# Altium PCB SX-SCPCB-015.PCB-V1.1_信号显示D类功放PCB板.PcbDoc (part 1 of 2)
Units mil, origin at the board's own origin, x right, y up, seen from the top; angles counter-clockwise.
Board outline 9212.6 x 3779.53 mil, 2 copper layers (Top Layer, Bottom Layer); 144 components, 77 nets, 427 pads, 5 vias.
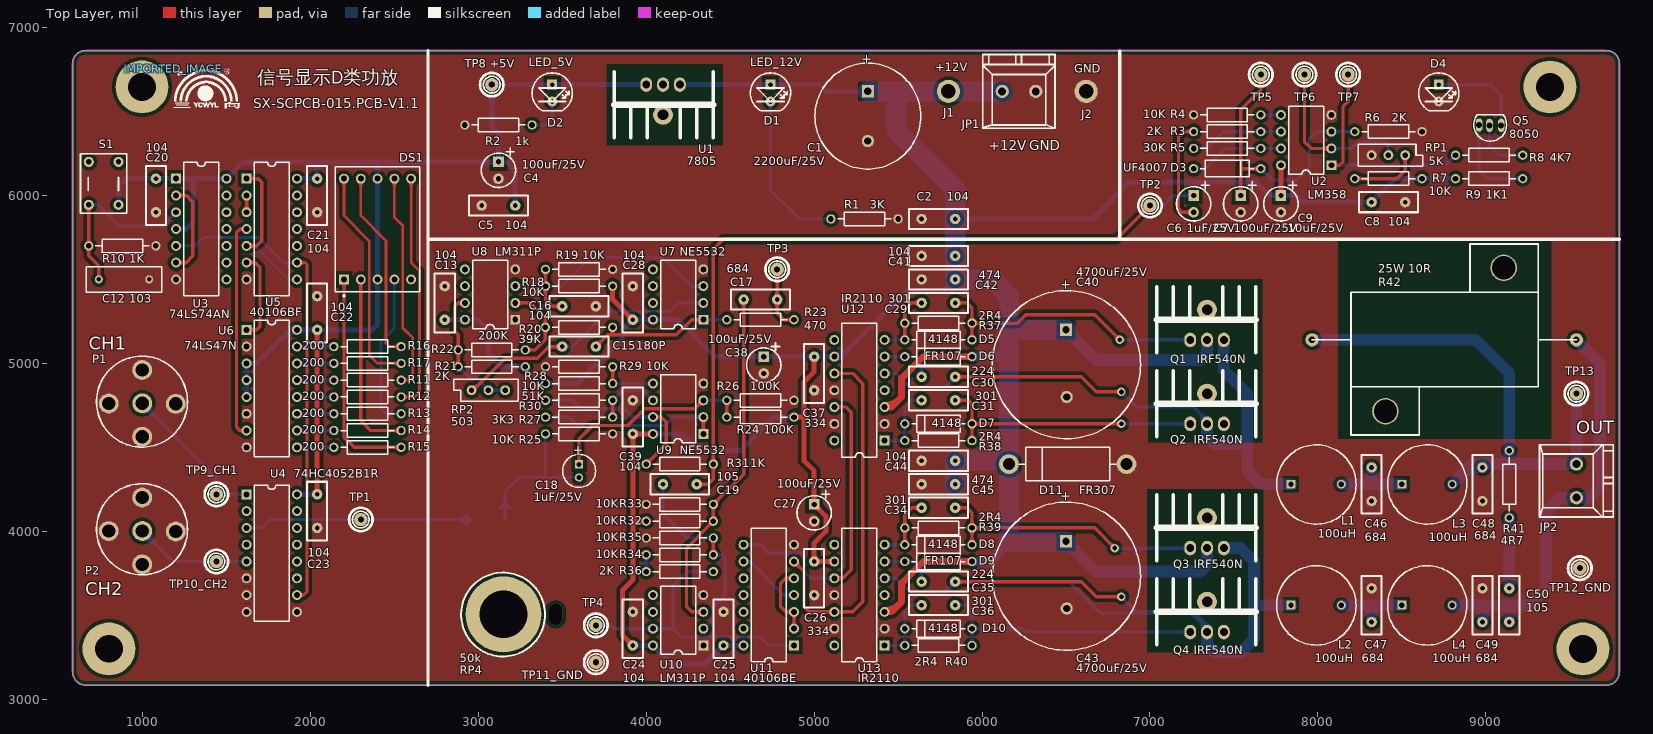
[diagram p0: Top Layer view]
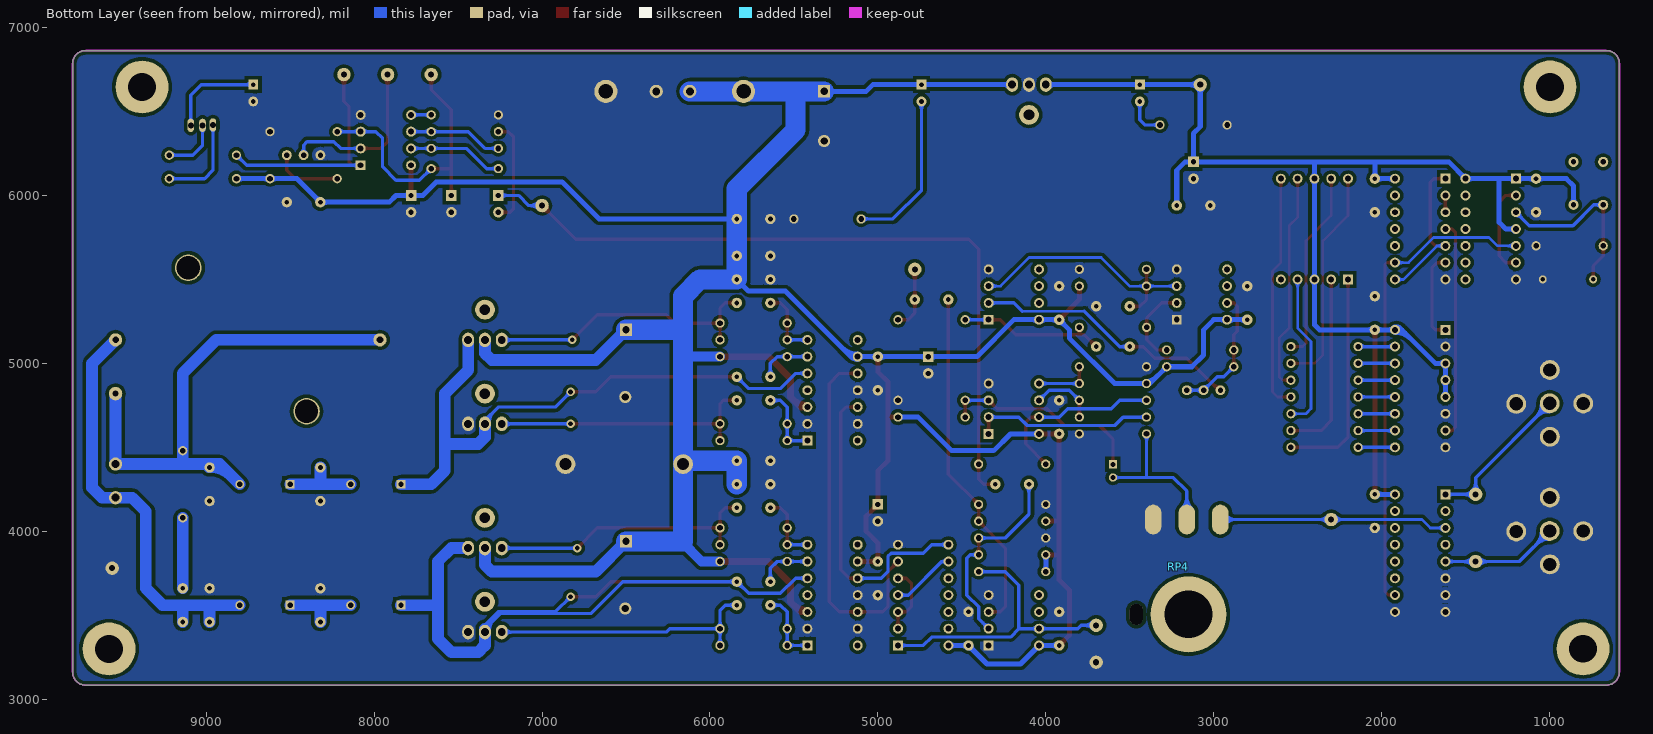
[diagram p1: Bottom Layer view, seen from below]

## Layer stack, top to bottom
Top Layer: signal copper 1.4
Dielectric: dielectric 12.6, FR-4, Dk 4.8
Bottom Layer: signal copper 1.4

## Board outline
583.46,3163.46 583.46,6784.25 cw(c662.2,6784.25) 662.2,6862.99 662.21,6862.99 9717.32,6862.99 cw(c9717.32,6784.25) 9796.06,6784.25 9796.06,3162.2 cw(c9717.32,3162.2) 9717.32,3083.46 663.46,3083.46 cw(c663.46,3163.46)

## Design rules (kind name [scope] priority, off if disabled: settings)
Clearance [All] p1: gap=10
ComponentClearance [All] p1 off: gap=10 collisioncheckmode=3 verticalgap=10 showdistances=FALSE
FabricationTestPointUsage TestPointUsage [All] p1: valid=0 allowmultiple=FALSE
FabricationTestpoint Testpoint [(IsPad And (OnTopLayer Or OnBottomLayer))] p1: side=3 testpointundercomponent=TRUE minsize=40 maxsize=100 preferedsize=60 minholesize=0 maxholesize=40 preferedholesize=32 testpointgrid=1 allowsidetop=TRUE allowsidebottom=TRUE usegrid=TRUE gridtolerance=0.01
HoleSize [All] p1: absolutevalues=TRUE maxlimit=393.7 minlimit=1 maxpercent=80.000 minpercent=20.000
PolygonConnect [All] p1: connectstyle=Relief reliefconductorwidth=1968.5 reliefentries=4 polygonreliefangle="90 Angle"
RoutingVias [All] p1: holewidth=23.62 width=39.37 viastyle="Through Hole" minholewidth=28 minwidth=50 maxholewidth=28 maxwidth=50
SilkscreenOverComponentPads [All] p1: minsilkscreentomaskgap=10
SolderMaskExpansion [All] p1: expansion=4
Width [All] p1: maxlimit=120 minlimit=7.87 preferedwidth=7.87 minimp=50.000000 maximp=50.000000 favimp=50.000000
23 further rules are at their usual default settings.

## Components (designator, comment, footprint, x,y, rotation, side; value= is the part's Value field where it differs from the comment)
7805 "U1" TO-220AB-IRF 4200,6660 r180 top
C1 "2200uF/25V" CAPPR7.5-16x35 5320,6472.36 r270 top
C2 "104" RAD-0.2 5640,5860 r0 top
C4 "100uF/25V" RB2.54-5 3120,6200 r270 top
C5 "104" RAD-0.2 3020,5940 r0 top
C6 "1uF/25V" RB2.54-5 7260,6000 r270 top
C7 "100uF/25V" RB2.54-5 7540,6000 r270 top
C8 "104" RAD-0.2 8520,5960 r180 top
C9 "10uF/25V" RB2.54-5 7780,6000 r270 top
C12 "103" RAD-0.3 890,5500 r180 top
C13 "104" RAD-0.2 2800,5460 r270 top
C15 "180P" RAD-0.2 3700,5100 r180 top
C16 "104" RAD-0.2 3700,5340 r180 top
C17 "684" RAD-0.2 4780,5380 r180 top
C18 "1uF/25V" B 3600,4359.37 r270 top
C19 "105" RAD-0.2 4300,4280 r180 top
C20 "104" RAD-0.2 1080,5900 r90 top
C21 "104" RAD-0.2 2040,5900 r90 top
C22 "104" RAD-0.2 2040,5400 r270 top
C23 "104" RAD-0.2 2040,4020 r90 top
C24 "104" RAD-0.2 3920,3520 r270 top
C25 "104" RAD-0.2 4460,3520 r270 top
C26 "334" RAD-0.2 5000,3820 r270 top
C27 "100uF/25V" RB2.54-5 5000,4160 r270 top
C28 "104" RAD-0.2 3920,5460 r270 top
C29 "301" RAD-0.2 5840,5360 r180 top
C30 "224" RAD-0.2 5640,4920 r0 top
C31 "301" RAD-0.2 5840,4780 r180 top
C34 "301" RAD-0.2 5640,4140 r0 top
C35 "224" RAD-0.2 5640,3700 r0 top
C36 "301" RAD-0.2 5640,3560 r0 top
C37 "334" RAD-0.2 5000,4840 r90 top
C38 "100uF/25V" RB2.54-5 4700,5040 r270 top
C39 "104" RAD-0.2 3920,4780 r270 top
C40 "4700uF/25V" 4700uF_400mil 6500,5200 r0 top
C41 "104" RAD-0.2 5640,5640 r0 top
C42 "474" RAD-0.2 5640,5500 r0 top
C43 "4700uF/25V" 4700uF_400mil 6500,3940 r0 top
C44 "104" RAD-0.2 5640,4420 r0 top
C45 "474" RAD-0.2 5640,4280 r0 top
C46 "684" RAD-0.2 8320,4380 r270 top
C47 "684" RAD-0.2 8320,3460 r90 top
C48 "684" RAD-0.2 8980,4380 r270 top
C49 "684" RAD-0.2 8980,3460 r90 top
C50 "105" RAD-0.2 9140,3660 r270 top
D1 "LED_12V" LED 4740,6660 r270 top
D2 "LED_5V" LED 3440,6660 r270 top
D3 "UF4007" DIODE-0.4 7460,6160 r0 top
D4 "" LED 8720,6660 r270 top
D5 "4148" DIODE-0.4 5740,5140 r180 top
D6 "FR107" DIODE-0.4 5740,5040 r180 top
D7 "4148" DIODE-0.4 5740,4640 r180 top
D8 "4148" DIODE-0.4 5740,3920 r180 top
D9 "FR107" DIODE-0.4 5740,3820 r180 top
D10 "4148" DIODE-0.4 5740,3420 r180 top
D11 "FR307" Doid_0.7 6860,4400 r0 top
DS1 "" H 2400,5800 r0 top
IMPORTED_IMAGE "Comment" IMPORTED_IMAGE 1184.26,6756.07 r0 top
J1 "+12V" PW 5800,6620 r0 top
J2 "GND" PW 6620,6620 r0 top
JP1 "" CON2-5.08 6320,6620 r180 top
JP2 "" CON2-5.08 9540,4200 r90 top
L1 "100uH" L_3 7840,4280 r270 top
L2 "100uH" L_3 7840,3560 r270 top
L3 "100uH" L_3 8500,4280 r270 top
L4 "100uH" L_3 8500,3560 r270 top
P1 "" BNC5 1000,4760 r0 top
P2 "" BNC5 1000,4000 r0 top
Q1 "IRF540N" TO-220AB-IRF 7240,5140 r0 top
Q2 "IRF540N" TO-220AB-IRF 7240,4640 r0 top
Q3 "IRF540N" TO-220AB-IRF 7240,3900 r0 top
Q4 "IRF540N" TO-220AB-IRF 7240,3400 r0 top
Q5 "8050" NPN 9076,6421 r90 top
R1 "3K" AXIAL-0.4 5300,5860 r180 top
R2 "1k" AXIAL-0.4 3120,6420 r0 top
R3 "2K" AXIAL-0.4 7460,6380 r180 top
R4 "10K" AXIAL-0.4 7460,6480 r180 top
R5 "30K" AXIAL-0.4 7460,6280 r180 top
R6 "2K" AXIAL-0.4 8420,6380 r0 top
R7 "10K" AXIAL-0.4 8420,6100 r0 top
R8 "4K7" AXIAL-0.4 9020,6240 r0 top
R9 "1K1" AXIAL-0.4 9020,6100 r180 top
R10 "1K" AXIAL-0.4 880,5700 r180 top
R11 "200" AXIAL-0.4 2340,4900 r0 top
R12 "200" AXIAL-0.4 2340,4800 r0 top
R13 "200" AXIAL-0.4 2340,4700 r0 top
R14 "200" AXIAL-0.4 2340,4600 r0 top
R15 "200" AXIAL-0.4 2340,4500 r0 top
R16 "200" AXIAL-0.4 2340,5100 r0 top
R17 "200" AXIAL-0.4 2340,5000 r0 top
R18 "10K" AXIAL-0.4 3600,5460 r0 top
R19 "10K" AXIAL-0.4 3600,5560 r180 top
R20 "39K" AXIAL-0.4 3599.5,5214.5 r0 top
R21 "2K" AXIAL-0.4 3080,4980 r180 top
R22 "200K" AXIAL-0.4 3080,5080 r180 top
R23 "470" AXIAL-0.4 4680,5260 r0 top
R24 "100K" AXIAL-0.4 4680,4680 r0 top
R25 "10K" AXIAL-0.4 3600,4580 r180 top
R26 "100K" AXIAL-0.4 4680,4780 r180 top
R27 "3K3" AXIAL-0.4 3600,4680 r0 top
R28 "10K" AXIAL-0.4 3600,4880 r180 top
R29 "10K" AXIAL-0.4 3600,4980 r0 top
R30 "51K" AXIAL-0.4 3600,4780 r180 top
R31 "1K" AXIAL-0.4 4200,4400 r0 top
R32 "10K" AXIAL-0.4 4200,4060 r180 top
R33 "10K" AXIAL-0.4 4200,4160 r0 top
R34 "10K" AXIAL-0.4 4200,3860 r180 top
R35 "10K" AXIAL-0.4 4200,3960 r0 top
R36 "2K" AXIAL-0.4 4200,3760 r180 top
R37 "2R4" AXIAL-0.4 5740,5240 r0 top
R38 "2R4" AXIAL-0.4 5740,4540 r0 top
R39 "2R4" AXIAL-0.4 5740,4020 r0 top
R40 "2R4" AXIAL-0.4 5740,3320 r0 top
R41 "4R7" AXIAL-0.4 9140,4280 r270 top
R42 "25W 10R" AXIAL-435-25W 7965.2,5140 r0 top
RP1 "5K" RP 8320,6240 r0 top
RP2 "503" RP 3160,4840 r180 top
RP4 "50k" VR1 3150,3505 r0 top
S1 "" SB-6MM 857.16,5944.09 r180 top
TP1 "" PT1 2300,4070 r0 top
TP2 "" PT1 7000,5940 r0 top
TP3 "" PT1 4780,5560 r0 top
TP4 "" PT1 3700,3440 r0 top
TP5 "" PT1 7660,6720 r0 top
TP6 "" PT1 7920,6720 r0 top
TP7 "" PT1 8180,6720 r0 top
"TP8 +5V" "" PT1 3080,6660 r90 top
TP9_CH1 "" PT1 1440,4220 r90 top
TP10_CH2 "" PT1 1440,3820 r90 top (schematic designator TP10__CH2)
TP11_GND "" PT1 3700,3220 r90 top
TP12_GND "" PT1 9560,3780 r90 top
TP13 "" PT1 9540,4820 r0 top
U2 "LM358" DIP-8 7930,6330 r90 top
U3 "74LS74AN" DIP-14 1350,5800 r270 top
U4 "74HC4052B1R" DIP-16 1770,3870 r270 top
U5 "40106BF" DIP-14 1770,5800 r270 top
U6 "74LS47N" DIP-16 1770,4850 r270 top
U7 "NE5532" DIP-8 4190,5410 r90 top
U8 "LM311P" DIP-8 3070,5410 r90 top
U9 "NE5532" DIP-8 4190,4730 r90 top
U10 "LM311P" DIP-8 4190,3470 r90 top
U11 "40106BE" DIP-14 4730,3620 r90 top
U12 "IR2110" DIP-14 5270,4840 r90 top
U13 "IR2110" DIP-14 5270,3620 r90 top

## Footprints (in the part's own frame and the unit in brackets; to place one, negate y for a bottom-side part, rotate by r counter-clockwise, add the part's x,y. Pads: shape width x height; smd on the part's side, far side on the other; paste and mask are expansions set on the pad)
4700uF_400mil [mm]
  rect 1.85x1.85 hole 1.1: 1(0,0)
  round 1.85 hole 1.1: 2(0.102,-10.16)
  silkscreen extent -11.12,-16.47 11.28,5.93
AXIAL-0.4 [mm] "Resistor; 2"
  round 1.4 hole 0.85: 1(-5.08,0) 2(5.08,0)
  silkscreen extent -4.06,-1.02 4.06,1.02
AXIAL-435-25W [mm]
  round 4 hole 3.5: 0(11.1,-10.8) 0(29,10.9)
  round 2 hole 1: 1(0,0) 2(40,0)
  silkscreen extent 0,-14.4 40,14.5
B [mm] "Capacitor, Electrolytic, Radial; Body 5 x 6.8 mm (Dia.xH typ); Pin Spacing 2 mm"
  rect 1.25x1.25 hole 0.75: 1(-1,0)
  round 1.25 hole 0.75: 2(1,0)
  silkscreen extent -2.5,-2.5 2.5,2.5
BNC5 [mm]
  round 3 hole 2: 1(-0.025,0.051) 2(-0.051,-5.004) 3(5.029,-0.025) 4(-5.105,0.025) 5(-0.051,5.105)
  silkscreen extent -6.96,-6.58 6.81,7.19
CAPPR7.5-16x35 [mm] "Capacitor, Electrolytic, Radial; Body 16 x 35 mm (Dia.xH typ); Pin Spacing 7.5 mm"
  rect 1.85x1.85 hole 1.1: 1(-3.75,0)
  round 1.85 hole 1.1: 2(3.75,0)
  silkscreen extent -8,-8 8,8
CON2-5.08 [mm]
  round 2 hole 1.2: 1(0,0) 2(5.08,0)
  silkscreen extent -2.92,-5.59 8,5.59
DIODE-0.4 [mm] "Tunnel Diode - Dependent Source Model; 2"
  round 1.4 hole 0.85: 1(-5.08,0) 2(5.08,0)
  silkscreen extent -4.06,-1.27 4.06,1.27
DIP-8 [mm] "DIP; 8 Leads; Row Spacing 7.62 mm; Pitch"
  rect 1.5x1.5 hole 0.9: 1(-3.81,-3.81)
  round 1.5 hole 0.9: 2(-1.27,-3.81) 3(1.27,-3.81) 4(3.81,-3.81) 5(3.81,3.81) 6(1.27,3.81) 7(-1.27,3.81) 8(-3.81,3.81)
  silkscreen extent -5.15,-2.65 5.15,2.65
DIP-14 [mm] "DIP; 14 Leads; Row Spacing 7.62 mm; Pitch"
  rect 1.5x1.5 hole 0.9: 1(-7.62,-3.81)
  round 1.5 hole 0.9: 2(-5.08,-3.81) 3(-2.54,-3.81) 4(0,-3.81) 5(2.54,-3.81) 6(5.08,-3.81) 7(7.62,-3.81) 8(7.62,3.81) 9(5.08,3.81) 10(2.54,3.81) 11(0,3.81) 12(-2.54,3.81) 13(-5.08,3.81) 14(-7.62,3.81)
  silkscreen extent -10.1,-2.65 10.1,2.65
DIP-16 [mm] "DIP; 16 Leads; Row Spacing 7.62 mm; Pitch"
  rect 1.5x1.5 hole 0.9: 1(-8.89,-3.81)
  round 1.5 hole 0.9: 2(-6.35,-3.81) 3(-3.81,-3.81) 4(-1.27,-3.81) 5(1.27,-3.81) 6(3.81,-3.81) 7(6.35,-3.81) 8(8.89,-3.81) 9(8.89,3.81) 10(6.35,3.81) 11(3.81,3.81) 12(1.27,3.81) 13(-1.27,3.81) 14(-3.81,3.81) 15(-6.35,3.81) 16(-8.89,3.81)
  silkscreen extent -10.3,-2.65 10.3,2.65
Doid_0.7 [mm]
  round 3 hole 1.8: 1(0,0) 2(-17.78,0)
  silkscreen extent -16.26,-2.54 -1.52,2.54
H [mm] "LED, 7-Segment Display, 14.2 mm, RHD; 10 Leads; Row Space 15.24 mm; Pitch"
  rect 1.5x1.5 hole 0.9: 1(-5.08,-7.62)
  round 1.5 hole 0.9: 2(-2.54,-7.62) 3(0,-7.62) 4(2.54,-7.62) 5(5.08,-7.62) 6(5.08,7.62) 7(2.54,7.62) 8(0,7.62) 9(-2.54,7.62) 10(-5.08,7.62)
  silkscreen extent -6.4,-10.22 6.4,9.45
IMPORTED_IMAGE [mil]
  silkscreen extent 0,-236 394,0
L_3 [mm]
  rect 1.35x1.35 hole 0.8: 1(0,0)
  round 1.35 hole 0.8: 2(0,7.62)
  silkscreen extent -5.97,-2.15 6.03,9.84
LED [mm]
  rect 1.5x1.5 hole 0.7: 1(0,0)
  round 1.5 hole 0.7: 2(2.54,0)
  silkscreen extent -1.77,-3.05 3.96,3.05
NPN [mm]
  oval 2x1 hole 0.9: 1(-0.025,2.946) 2(-0.076,1.372) 3(-0.076,-0.406)
  silkscreen extent -2.48,-1.21 1.5,3.75
PT1 [mil]
  round 80 hole 36: 1(0,0)
  silkscreen extent -70,-70 70,70
PW [mm]
  round 3.5 hole 2.2: 1(0,0)
RAD-0.2 [mil]
  round 62 hole 28: 1(0,0) 2(200,0)
  silkscreen extent -75,-60 275,60
RAD-0.3 [mm] "Capacitor; 2"
  round 1.2 hole 0.7: 1(-3.81,0) 2(3.81,0)
  silkscreen extent -5.71,-1.91 5.71,1.91
RB2.54-5 [mm]
  rect 1.6x1.6 hole 0.8: 1(0,0)
  round 1.6 hole 0.8: 2(2.54,0)
  silkscreen extent -2.12,-2.6 3.87,2.6
RP [mm]
  round 1.5 hole 0.8: 1(5.08,0) 2(2.54,0) 3(0,0)
  silkscreen extent -2,-1.66 7.76,1.67
SB-6MM [mil]
  round 60 hole 32: 1(0,0) 2(177.16,0) 3(0,-255.91) 4(177.16,-255.91)
  silkscreen extent -49,-305 226,50
TO-220AB-IRF [mm]
  round 3 hole 1.6: 0(2.54,4.572)
  oval 1.8x2.2 hole 1.2: 1(0,0) 2(2.54,0) 3(5.08,0)
  silkscreen extent -5.08,-1.95 9.92,8.05
VR1 [mm]
  round 11.5 hole 7.2: 0(0,0)
  oval 2x3.2 hole 2 slot 3.2 at 90 deg: 0(7.9,0)
  oval 2.5x4.5 smd far side: 1(-4.826,14.351) 2(0.254,14.351) 3(5.334,14.351)
  silkscreen extent -6.41,-6.37 6.28,6.32

## Part data
7805: library part "Volt Reg", "Vo"
C1 C18: library part "Cap Pol2", "Polarized Capacitor (Axial)"
C2 C5: library part Cap, "Cap"
C4: library part "Cap Pol2", "Polarized Ca"
C6 C7 C27 C38 C40 C43: library part "Cap Pol2", "Polarized Capacitor ("
C9: library part "Cap Pol1", "Polarized Capacitor (R"
C12: library part Cap, "Capacitor"
D1 D2 D4: library part LED0, "Typical INFRARED Ga"
D3 D6 D9: library part "Diode 1N4005", "1 Amp General Purpose Rectifier"
D5 D7 D8 D10: library part "Diode 1N914", "High Conductance Fast Diode"
D11: library part "Diode 1N4005", "1 Amp General Purpose Rec"
DS1: library part "Dpy Blue-CA", "14.2 mm General Purpose Blue 7-Segment Display: CA, RH DP, Gray Surface"
L1 L2 L3 L4: library part Inductor, "In"
P1 P2: library part "Header 5"
Q1 Q2 Q3 Q4: library part NMOS-2, "N-Channel Power"
Q5: library part NPN, "NPN Bipolar Tran"
R1 R2 R3 R4 R5 R6 R7 R8 R9 R10 R11 R12 R13 R14 R15 R16 R17 R18 R19 R20 R21 R22 R23 R24 R25 R26 R27 R28 R29 R30 R31 R32 R33 R34 R35 R36 R37 R38 R39 R40 R41: library part Res2, "Resistor"
RP4: library part "RPot SM", "Square Trimmin"
S1: library part SW-PB
U2: library part LM358AN, "Low-Power Dual Operational Amplifier"
U3: library part SN74LS74AN, "Dual D-Type Positive-Edge-Triggered Flip-Flop with Preset and Clear"
U4: library part M74HC4052B1R, "Analog Multiplexer/Demultiplexer Dual 4-Channel"
U5 U11: library part HCC40106BF, "Hex Schmitt Trigger"
U6: library part SN74LS47N, "BCD-to-Seven-Segment Decoder/Driver"
U7 U9: library part NE5532AJG, "Dual Low-Noise Operational Amplifier"
U8 U10: library part LM311D, "High-Performance Voltage Comparator"
U12 U13: library part IR2110S, "High and Low Side Driver"

## Free pads (board coordinates)
  round 314.96 hole 165.35: 1(996.85,6646.46) 2(9382.01,6646.01) 3(800,3300) 4(9578.86,3299.55)

## Via types
v1: diameter 50, hole 28, Top Layer to Bottom Layer, 5 vias

## Nets (pads, with @x,y where several pads share a name; then routed paths per layer and width w, separated by ;. In a path a pad name is that pad's centre, name@x,y a point inside that pad or via, vN(x,y) a via of type N, cw(c..) or ccw(c..) an arc to the next point about the centre after c; other vN are vias at no path point)
+12V: 7805.1 C1.1 C2.2 C8.2 C9.1 C13.2 C24.2 C25.2 C26.1 C27.1 C28.2 C37.2 C38.1 C39.2 C40.1 C41.2 C42.2 C43.1 C44.2 C45.2 D1.1 D6.1 D9.1 D11.2 J1.1 JP1.2 Q1.2 Q3.2 R7.2 R9.2 R18.2 R21.1 R24.2 R28.2 R32.2 R34.2 R36.2 U2.8 U7.8 U8.8 U9.8 U10.8 U11.14 U12.3 U12.9 U13.3 U13.9 | length 25971.7
  Top Layer w30: R18.2@3791.12,5451.12 cw(c3769.68,5429.68) 3800,5429.68 cw(c3830.32,5429.68) R18.2@3808.88,5451.12 ; R18.2@3800,5460 3800,5380 C28.2@3920,5260 ; C24.2@3904,3320 ccw(c3865.37,3320) 3892.69,3347.31 ccw(c3920,3374.63) C24.2@3920,3336 ; C28.2@3904,5260 ccw(c3865.37,5260) 3892.69,5287.31 ccw(c3920,5314.63) C28.2@3920,5276 ; C39.2@3908.69,4568.69 cw(c3881.37,4541.37) 3920,4541.37 cw(c3958.63,4541.37) 3931.31,4568.69 cw(c3958.63,4541.37) 3958.63,4580 cw(c3958.63,4618.63) C39.2@3931.31,4591.31 ; C24.2@3920,3320 3860,3380 3860,3650 3920,3710 C39.2@3920,4580 U9.8@4040,4580 ; 3920,3860 R34.2@4000,3860 ; 3920,4060 R32.2@4000,4060 ; R34.2@3991.12,3851.12 ccw(c3969.68,3829.68) 3969.68,3860 ccw(c3969.68,3890.32) R34.2@3991.12,3868.88 ; R32.2@3991.12,4051.12 ccw(c3969.68,4029.68) 3969.68,4060 ccw(c3969.68,4090.32) R32.2@3991.12,4068.88 ; U9.8@4029.73,4569.73 ccw(c4004.93,4544.93) 4004.93,4580 ccw(c4004.93,4615.07) U9.8@4029.73,4590.27 ; R24.2@4880,4680 4930,4680 ; R24.2@4888.88,4671.12 cw(c4910.32,4649.68) 4910.32,4680 cw(c4910.32,4710.32) R24.2@4888.88,4688.88 ; C27.1@4988.34,4171.66 ccw(c4960.18,4199.82) 5000,4199.82 ccw(c5039.82,4199.82) C27.1@5011.66,4171.66 ; C26.1@4988.69,3831.31 ccw(c4961.37,3858.63) 5000,3858.63 ccw(c5038.63,3858.63) 5011.31,3831.31 ccw(c5038.63,3858.63) 5038.63,3820 ccw(c5038.63,3781.37) C26.1@5011.31,3808.69 ; C37.2@4988.69,5028.69 cw(c4961.37,5001.37) 5000,5001.37 cw(c5038.63,5001.37) C37.2@5011.31,5028.69 ; C27.1@5000,4143.5 cw(c5000,4103.68) 5028.16,4131.84 cw(c5056.32,4160) C27.1@5016.5,4160 ; C37.2@5000,5040 5000,4950 4940,4890 4940,4420 5000,4360 C27.1@5000,4160 5070,4090 5070,4000 5000,3930 C26.1@5000,3820 U13.9@5120,3820 ; U13.9@5109.73,3809.73 ccw(c5084.93,3784.93) 5084.93,3820 ccw(c5084.93,3855.07) U13.9@5109.73,3830.27 ; C9.1@7768.34,6011.66 ccw(c7740.18,6039.82) 7780,6039.82 ccw(c7819.82,6039.82) C9.1@7791.66,6011.66 ; U2.8@7769.73,6169.73 cw(c7744.93,6144.93) 7780,6144.93 cw(c7815.07,6144.93) U2.8@7790.27,6169.73 ; C9.1@7780,6000 U2.8@7780,6180
  Top Layer w40: U13.3@5420,3520 5460,3520 5520,3580 5520,3690 5650,3820 D9.1@5940,3820 ; U13.3@5420,3529.53 ccw(c5420,3649.1) 5504.55,3564.55 ; U12.3@5420,4740 5460,4740 5520,4800 5520,4910 5650,5040 D6.1@5940,5040 ; U12.3@5420,4749.53 ccw(c5420,4869.1) 5504.55,4784.55
  Bottom Layer w30: C13.2@2800,5260 3000,5260 3060,5200 3060,5050 3130,4980 R21.1@3280,4980 3380,4880 3590,4880 3860,5150 3860,5200 C28.2@3920,5260 4190,5260 4410,5040 5160,5040 5550,5430 5770,5430 C42.2@5840,5500 ; C13.2@2811.31,5248.69 cw(c2838.63,5221.37) 2838.63,5260 cw(c2838.63,5298.63) C13.2@2811.31,5271.31 ; U8.8@2909.73,5249.73 ccw(c2884.93,5224.93) 2884.93,5260 ccw(c2884.93,5295.07) U8.8@2909.73,5270.27 ; U8.8@2930.27,5249.73 cw(c2955.07,5224.93) 2955.07,5260 cw(c2955.07,5295.07) U8.8@2930.27,5270.27 ; R21.1@3271.12,4971.12 ccw(c3249.68,4949.68) 3249.68,4980 ccw(c3249.68,5010.32) R21.1@3271.12,4988.88 ; R21.1@3280,4967.44 cw(c3280,4937.12) 3301.44,4958.56 cw(c3322.88,4980) R21.1@3292.56,4980 ; 3344.42,4915.58 ccw(c3400,4971.16) R28.2@3400,4892.56 ; R28.2@3408.88,4871.12 cw(c3430.32,4849.68) 3430.32,4880 cw(c3430.32,4910.32) R28.2@3408.88,4888.88 ; C28.2@3904,5260 cw(c3865.37,5260) 3892.69,5232.69 cw(c3920,5205.37) C28.2@3920,5244 ; C24.2@3920,3320 U10.8@4040,3320 4150,3210 4350,3210 C25.2@4460,3320 U11.14@4580,3320 ; C24.2@3931.31,3308.69 cw(c3958.63,3281.37) 3958.63,3320 cw(c3958.63,3358.63) C24.2@3931.31,3331.31 ; C28.2@3931.31,5248.69 cw(c3958.63,5221.37) 3958.63,5260 cw(c3958.63,5298.63) C28.2@3931.31,5271.31 ; R36.2@3991.12,3768.88 ccw(c3969.68,3790.32) 4000,3790.32 ccw(c4030.32,3790.32) R36.2@4008.88,3768.88 ; R34.2@3991.12,3851.12 cw(c3969.68,3829.68) 4000,3829.68 cw(c4030.32,3829.68) R34.2@4008.88,3851.12 ; R36.2@4000,3760 R34.2@4000,3860 ; U10.8@4029.73,3309.73 ccw(c4004.93,3284.93) 4004.93,3320 ccw(c4004.93,3355.07) U10.8@4029.73,3330.27 ; U7.8@4029.73,5249.73 ccw(c4004.93,5224.93) 4004.93,5260 ccw(c4004.93,5295.07) U7.8@4029.73,5270.27 ; U10.8@4040,3305.47 cw(c4040,3270.4) 4064.8,3295.2 cw(c4089.6,3320) U10.8@4054.53,3320 ; U9.8@4040,4580 4210,4580 4310,4480 4560,4480 4760,4680 R24.2@4880,4680 ; U9.8@4050.27,4569.73 cw(c4075.07,4544.93) 4075.07,4580 cw(c4075.07,4615.07) U9.8@4050.27,4590.27 ; U7.8@4050.27,5249.73 cw(c4075.07,5224.93) 4075.07,5260 cw(c4075.07,5295.07) U7.8@4050.27,5270.27 ; 7805.1@4210,6660 5030,6660 5070,6620 C1.1@5320,6620 ; 7805.1@4214.45,6645.55 cw(c4249.33,6610.67) 4249.33,6660 cw(c4249.33,6709.33) 7805.1@4214.45,6674.45 ; C25.2@4444,3320 cw(c4405.37,3320) 4432.69,3292.69 cw(c4460,3265.37) C25.2@4460,3304 ; C25.2@4471.31,3308.69 cw(c4498.63,3281.37) 4498.63,3320 cw(c4498.63,3358.63) C25.2@4471.31,3331.31 ; U11.14@4569.73,3309.73 ccw(c4544.93,3284.93) 4544.93,3320 ccw(c4544.93,3355.07) U11.14@4569.73,3330.27 ; C38.1@4688.34,5028.34 ccw(c4660.18,5000.18) 4660.18,5040 ccw(c4660.18,5079.82) C38.1@4688.34,5051.66 ; C38.1@4711.66,5028.34 cw(c4739.82,5000.18) 4739.82,5040 cw(c4739.82,5079.82) C38.1@4711.66,5051.66 ; D1.1@4729.73,6649.73 ccw(c4704.93,6624.93) 4704.93,6660 ccw(c4704.93,6695.07) D1.1@4729.73,6670.27 ; D1.1@4750.27,6649.73 cw(c4775.07,6624.93) 4775.07,6660 cw(c4775.07,6695.07) D1.1@4750.27,6670.27 ; R24.2@4871.12,4671.12 ccw(c4849.68,4649.68) 4849.68,4680 ccw(c4849.68,4710.32) R24.2@4871.12,4688.88 ; C37.2@4988.69,5028.69 ccw(c4961.37,5001.37) 4961.37,5040 ccw(c4961.37,5078.63) C37.2@4988.69,5051.31 ; C37.2@5011.31,5028.69 cw(c5038.63,5001.37) 5038.63,5040 cw(c5038.63,5078.63) C37.2@5011.31,5051.31 ; U12.9@5109.73,5029.73 ccw(c5084.93,5004.93) 5084.93,5040 ccw(c5084.93,5075.07) U12.9@5109.73,5050.27 ; U12.9@5120,5024.53 ccw(c5120,5083.74) 5161.87,5041.87 ; U12.9@5120,5054.53 ccw(c5120,5186.17) 5213.08,5093.08 ; U12.9@5130.27,5029.73 cw(c5155.07,5004.93) 5155.07,5040 cw(c5155.07,5075.07) U12.9@5130.27,5050.27 ; C1.1@5304.86,6604.86 ccw(c5268.29,6568.29) 5268.29,6620 ccw(c5268.29,6671.71) C1.1@5304.86,6635.14 ; C42.2@5824,5500 cw(c5785.37,5500) 5812.69,5472.69 cw(c5840,5445.37) C42.2@5840,5484 ; C2.2@5840,5860 6660,5860 6880,6080 7630,6080 7710,6000 7870,6000 7910,5960 C8.2@8320,5960 8460,6100 R9.2@8820,6100 ; C2.2@5851.31,5848.69 cw(c5878.63,5821.37) 5878.63,5860 cw(c5878.63,5898.63) C2.2@5851.31,5871.31 ; Q1.2@7340,5140 Q1.2@7340,5160 ; C9.1@7768.34,5988.34 ccw(c7740.18,5960.18) 7740.18,6000 ccw(c7740.18,6039.82) C9.1@7768.34,6011.66 ; C9.1@7791.66,5988.34 cw(c7819.82,5960.18) 7819.82,6000 cw(c7819.82,6039.82) C9.1@7791.66,6011.66 ; C8.2@8308.69,5948.69 ccw(c8281.37,5921.37) 8281.37,5960 ccw(c8281.37,5998.63) C8.2@8308.69,5971.31 ; C8.2@8320,5976 ccw(c8320,6014.63) 8347.31,5987.31 ccw(c8374.63,5960) C8.2@8336,5960 ; R7.2@8611.12,6091.12 ccw(c8589.68,6069.68) 8589.68,6100 ccw(c8589.68,6130.32) R7.2@8611.12,6108.88 ; R7.2@8628.88,6091.12 cw(c8650.32,6069.68) 8650.32,6100 cw(c8650.32,6130.32) R7.2@8628.88,6108.88 ; R9.2@8811.12,6091.12 ccw(c8789.68,6069.68) 8789.68,6100 ccw(c8789.68,6130.32) R9.2@8811.12,6108.88
  Bottom Layer w60: D9.1@5940,3820 6050,3820 6170,3940 ; D6.1@5940,5040 6160,5040
  Bottom Layer w70: C43.1@6500,3940 6680,3760 7300,3760 7340,3800 Q3.2@7340,3900 ; C40.1@6500,5200 6680,5020 7300,5020 7340,5060 Q1.2@7340,5140
  Bottom Layer w120: C1.1@5320,6620 JP1.2@6120,6620 ; 5490,6620 5490,6390 5840,6040 C42.2@5840,5500 6060,5500 6160,5400 6160,3940 C43.1@6500,3940 ; C45.2@5840,4280 C44.2@5840,4420 D11.2@6140,4420 ; 6160,5200 C40.1@6500,5200
AUDIO: RP4.1 TP1.1 U4.3 | length 1936.9
  Bottom Layer w16: U4.3@1620,4020 1710,4020 1760,4070 RP4.1@2960,4070 ; U4.3@1635.22,4004.78 cw(c1671.97,3968.03) 1671.97,4020 cw(c1671.97,4071.97) U4.3@1635.22,4035.22 ; TP1.1@2277.37,4047.37 ccw(c2222.75,3992.75) 2222.75,4070 ccw(c2222.75,4147.25) TP1.1@2277.37,4092.63 ; TP1.1@2322.63,4047.37 cw(c2377.25,3992.75) 2377.25,4070 cw(c2377.25,4147.25) TP1.1@2322.63,4092.63 ; RP4.1@2930.86,4040.86 ccw(c2860.51,3970.51) 2860.51,4070 ccw(c2860.51,4169.49) RP4.1@2930.86,4099.14 ; RP4.1@2942.17,4052.17 ccw(c2899.13,4009.13) 2899.13,4070 ccw(c2899.13,4130.87) RP4.1@2942.17,4087.83
CH1: P1.1 TP9_CH1.1 U4.1 | length 1502.5
  Bottom Layer w20: P1.1@999,4712.95 cw(c999,4596.93) 1081.03,4678.97 ; P1.1@999,4732.95 cw(c999,4665.22) 1046.89,4713.11 ; P1.1@999,4762 999,4761 1440,4320 TP9_CH1.1@1440,4220 U4.1@1620,4220 ; P1.1@1028.06,4762 ccw(c1100.62,4762) 1049.31,4710.69 ; P1.1@1048.06,4762 ccw(c1168.9,4762) 1083.45,4676.55 ; TP9_CH1.1@1418.79,4241.21 ccw(c1367.57,4292.43) 1440,4292.43 ccw(c1512.43,4292.43) 1461.21,4241.21 ccw(c1512.43,4292.43) 1512.43,4220 ccw(c1512.43,4147.57) TP9_CH1.1@1461.21,4198.79 ; U4.1@1606.19,4206.19 ccw(c1572.86,4172.86) 1572.86,4220 ccw(c1572.86,4267.14) U4.1@1606.19,4233.81
CH2: P2.1 TP10_CH2.1 U4.5 | length 1294.8
  Bottom Layer w20: P2.1@999,3952.95 cw(c999,3836.93) 1081.03,3918.97 ; P2.1@999,3972.95 cw(c999,3905.22) 1046.89,3953.11 ; P2.1@999,4002 999,4001 1180,3820 U4.5@1620,3820 ; P2.1@1028.06,4002 ccw(c1100.62,4002) 1049.31,3950.69 ; P2.1@1048.06,4002 ccw(c1168.9,4002) 1083.45,3916.55 ; TP10_CH2.1@1418.79,3798.79 ccw(c1367.57,3747.57) 1367.57,3820 ccw(c1367.57,3892.43) TP10_CH2.1@1418.79,3841.21 ; TP10_CH2.1@1461.21,3798.79 cw(c1512.43,3747.57) 1512.43,3820 cw(c1512.43,3892.43) TP10_CH2.1@1461.21,3841.21 ; U4.5@1606.19,3806.19 ccw(c1572.86,3772.86) 1572.86,3820 ccw(c1572.86,3867.14) U4.5@1606.19,3833.81
GND: 7805.2 C1.2 C2.1 C4.2 C5.1 C7.2 C8.1 C9.2 C12.1 C13.1 C16.1 C20.1 C21.1 C22.1 C23.1 C24.1 C25.1 C26.2 C27.2 C28.1 C37.1 C38.2 C39.1 C40.2 C41.1 C42.1 C43.2 C44.1 C45.1 C46.2 C47.2 C48.2 C49.2 D4.2 D11.1 J2.1 JP1.1 P1.2 P1.3 P1.4 P1.5 P2.2 P2.3 P2.4 P2.5 Q2.3 Q4.3 R1.1 R2.1 R4.2 R6.2 R10.1 R19.1 R25.1 R26.1 R29.1 R33.1 R35.1 RP1.3 RP4.3 TP11_GND.1 TP12_GND.1 U2.4 U3.7 U4.6 U4.7 U4.8 U4.9 U5.7 U6.2 U6.6 U6.8 U7.4 U8.1 U8.4 U9.4 U10.1 U10.4 U11.7 U12.2 U12.11 U12.13 U13.2 U13.11 U13.13
NetC6_2: C6.2 R3.2 | length 778.8
  Top Layer w20: C6.2@7244.8,5884.8 ccw(c7208.1,5848.1) 7208.1,5900 ccw(c7208.1,5951.9) C6.2@7244.8,5915.2 ; R3.2@7247.58,6367.58 ccw(c7217.61,6337.61) 7217.61,6380 ccw(c7217.61,6422.39) R3.2@7247.58,6392.42 ; C6.2@7260,5900 7190,5900 7170,5920 7170,6350 7200,6380 R3.2@7260,6380
NetC7_1: C7.1 D3.2 R6.1 TP5.1 U2.3 | length 2241.6
  Top Layer w20: C7.1@7524.8,6015.2 ccw(c7488.1,6051.9) 7540,6051.9 ccw(c7591.9,6051.9) C7.1@7555.2,6015.2 ; C7.1@7540,6000 7540,6510 7660,6630 TP5.1@7660,6720 ; 7540,6160 D3.2@7660,6160 ; TP5.1@7638.79,6698.79 cw(c7587.57,6647.57) 7660,6647.57 cw(c7732.43,6647.57) TP5.1@7681.21,6698.79 ; D3.2@7647.58,6147.58 ccw(c7617.61,6117.61) 7617.61,6160 ccw(c7617.61,6202.39) D3.2@7647.58,6172.42
  Bottom Layer w20: D3.2@7660,6142.44 cw(c7660,6100.05) 7689.98,6130.02 cw(c7719.95,6160) D3.2@7677.56,6160 ; D3.2@7660,6160 7730,6090 7870,6090 7950,6170 7950,6340 7990,6380 R6.1@8220,6380 ; U2.3@8066.19,6366.19 ccw(c8032.86,6332.86) 8032.86,6380 ccw(c8032.86,6427.14) U2.3@8066.19,6393.81 ; U2.3@8093.81,6366.19 cw(c8127.14,6332.86) 8127.14,6380 cw(c8127.14,6427.14) U2.3@8093.81,6393.81 ; R6.1@8207.58,6367.58 ccw(c8177.61,6337.61) 8177.61,6380 ccw(c8177.61,6422.39) R6.1@8207.58,6392.42
NetC12_2: C12.2 R10.2 S1.2 U3.3 | length 1484.1
  Top Layer w20: S1.2@665.86,5929.95 cw(c631.72,5895.81) 680,5895.81 cw(c728.28,5895.81) S1.2@694.14,5929.95 ; R10.2@667.58,5687.58 cw(c637.61,5657.61) 680,5657.61 cw(c722.39,5657.61) R10.2@692.42,5687.58 ; R10.2@667.58,5712.42 ccw(c637.61,5742.39) 680,5742.39 ccw(c722.39,5742.39) R10.2@692.42,5712.42 ; S1.2@680,5944.09 680,5640 740,5580 C12.2@740,5500 ; C12.2@730.37,5509.63 ccw(c707.11,5532.89) 740,5532.89 ccw(c772.89,5532.89) C12.2@749.63,5509.63
  Bottom Layer w20: S1.2@680,5944.09 735.91,5944.09 860,5820 1120,5820 U3.3@1200,5900 ; S1.2@694.14,5929.95 cw(c728.28,5895.81) 728.28,5944.09 cw(c728.28,5992.38) S1.2@694.14,5958.24 ; U3.3@1180.47,5900 cw(c1133.33,5900) 1166.66,5866.66 cw(c1200,5833.33) U3.3@1200,5880.47
NetC15_1: C15.1 R20.2 R23.1 U7.1 | length 1251.7
  Top Layer w20: C15.1@3700,5100 3770,5170 4180,5170 4270,5260 U7.1@4340,5260 ; C15.1@3700,5121 ccw(c3700,5171.7) 3735.85,5135.85 ccw(c3771.7,5100) C15.1@3721,5100 ; R20.2@3787.08,5202.08 cw(c3757.11,5172.11) 3799.5,5172.11 cw(c3841.89,5172.11) R20.2@3811.92,5202.08 ; 3799.5,5170 R20.2@3799.5,5214.5 ; U7.1@4326.19,5246.19 ccw(c4292.86,5212.86) 4292.86,5260 ccw(c4292.86,5307.14) U7.1@4326.19,5273.81
  Bottom Layer w20: U7.1@4340,5260 R23.1@4480,5260 ; U7.1@4353.81,5246.19 cw(c4387.14,5212.86) 4387.14,5260 cw(c4387.14,5307.14) U7.1@4353.81,5273.81 ; R23.1@4467.58,5247.58 ccw(c4437.61,5217.61) 4437.61,5260 ccw(c4437.61,5302.39) R23.1@4467.58,5272.42
NetC15_2: C15.2 RP2.1 U7.2 | length 1902.8
  Top Layer w20: RP2.1@2960,4840 2970,4840 3160,5030 3350,5030 3420,5100 C15.2@3500,5100 ; RP2.1@2960,4859.53 ccw(c2960,4930.81) 3010.41,4880.41 ; RP2.1@2979.53,4840 cw(c3002.53,4840) 2986.26,4856.26 ; C15.2@3485.15,5085.15 ccw(c3449.3,5049.3) 3449.3,5100 ccw(c3449.3,5150.7) C15.2@3485.15,5114.85
  Bottom Layer w16: 3770,5310 4140,5310
  Bottom Layer w20: C15.2@3500,5100 3560,5100 3770,5310 ; C15.2@3514.85,5085.15 cw(c3550.7,5049.3) 3550.7,5100 cw(c3550.7,5150.7) C15.2@3514.85,5114.85 ; 4140,5310 4190,5360 U7.2@4340,5360 ; U7.2@4326.19,5346.19 ccw(c4292.86,5312.86) 4292.86,5360 ccw(c4292.86,5407.14) U7.2@4326.19,5373.81
NetC16_2: C16.2 R18.1 R19.2 U7.3 U8.3 | length 2148.4
  Top Layer w20: R18.1@3387.58,5447.58 cw(c3357.61,5417.61) 3400,5417.61 cw(c3442.39,5417.61) R18.1@3412.42,5447.58 ; R18.1@3387.58,5472.42 ccw(c3357.61,5502.39) 3400,5502.39 ccw(c3442.39,5502.39) R18.1@3412.42,5472.42 ; R19.2@3387.58,5547.58 cw(c3357.61,5517.61) 3400,5517.61 cw(c3442.39,5517.61) R19.2@3412.42,5547.58 ; R19.2@3400,5560 3400,5380 3440,5340 C16.2@3500,5340 ; C16.2@3485.15,5325.15 ccw(c3449.3,5289.3) 3449.3,5340 ccw(c3449.3,5390.7) C16.2@3485.15,5354.85
  Bottom Layer w16: U8.3@3220,5460 3500,5460 3670,5630 4100,5630 4270,5460 U7.3@4340,5460 ; U8.3@3235.22,5444.78 cw(c3271.97,5408.03) 3271.97,5460 cw(c3271.97,5511.97) U8.3@3235.22,5475.22 ; R18.1@3386.17,5446.17 ccw(c3352.78,5412.78) 3352.78,5460 ccw(c3352.78,5507.22) R18.1@3386.17,5473.83 ; R18.1@3413.83,5446.17 cw(c3447.22,5412.78) 3447.22,5460 cw(c3447.22,5507.22) R18.1@3413.83,5473.83 ; U7.3@4324.78,5444.78 ccw(c4288.03,5408.03) 4288.03,5460 ccw(c4288.03,5511.97) U7.3@4324.78,5475.22
NetC17_1: C17.1 R23.2 TP3.1 | length 716.2
  Top Layer w20: TP3.1@4758.79,5538.79 cw(c4707.57,5487.57) 4780,5487.57 cw(c4852.43,5487.57) TP3.1@4801.21,5538.79 ; C17.1@4765.15,5365.15 cw(c4729.3,5329.3) 4780,5329.3 cw(c4830.7,5329.3) C17.1@4794.85,5365.15 ; C17.1@4765.15,5394.85 ccw(c4729.3,5430.7) 4780,5430.7 ccw(c4830.7,5430.7) C17.1@4794.85,5394.85 ; TP3.1@4780,5560 4780,5300 4820,5260 R23.2@4880,5260 ; R23.2@4867.58,5247.58 ccw(c4837.61,5217.61) 4837.61,5260 ccw(c4837.61,5302.39) R23.2@4867.58,5272.42
NetC17_2: C17.2 R32.1 R33.2 U10.3 | length 2503.3
  Top Layer w20: U10.3@4326.19,3506.19 ccw(c4292.86,3472.86) 4292.86,3520 ccw(c4292.86,3567.14) U10.3@4326.19,3533.81 ; U10.3@4340,3520 4270,3520 4240,3550 4240,3900 R32.1@4400,4060 R33.2@4400,4160 4580,4340 C17.2@4580,5380 ; R32.1@4382.44,4060 cw(c4340.05,4060) 4370.02,4030.02 cw(c4400,4000.05) R32.1@4400,4042.44 ; R32.1@4387.58,4072.42 ccw(c4357.61,4102.39) 4400,4102.39 ccw(c4442.39,4102.39) R32.1@4412.42,4072.42 ; R33.2@4387.58,4147.58 cw(c4357.61,4117.61) 4400,4117.61 cw(c4442.39,4117.61) R33.2@4412.42,4147.58 ; R33.2@4400,4177.56 ccw(c4400,4219.95) 4429.98,4189.98 ccw(c4459.95,4160) R33.2@4417.56,4160 ; C17.2@4565.15,5365.15 cw(c4529.3,5329.3) 4580,5329.3 cw(c4630.7,5329.3) C17.2@4594.85,5365.15
NetC18_1: C18.1 R24.1 R26.2 U9.3 | length 1629.8
  Top Layer w20: C18.1@3589.67,4409.07 ccw(c3564.74,4434) 3600,4434 ccw(c3635.26,4434) C18.1@3610.33,4409.07 ; C18.1@3600,4398.74 3600,4550 3680,4630 3890,4630 3990,4730 4290,4730 U9.3@4340,4780 ; U9.3@4320.47,4780 cw(c4273.33,4780) 4306.66,4746.66 cw(c4340,4713.33) U9.3@4340,4760.47 ; R24.1@4467.58,4692.42 ccw(c4437.61,4722.39) 4480,4722.39 ccw(c4522.39,4722.39) R24.1@4492.42,4692.42 ; R26.2@4467.58,4767.58 cw(c4437.61,4737.61) 4480,4737.61 cw(c4522.39,4737.61) R26.2@4492.42,4767.58 ; R24.1@4480,4680 R26.2@4480,4780
  Bottom Layer w20: U9.3@4340,4780 R26.2@4480,4780 ; U9.3@4353.81,4766.19 cw(c4387.14,4732.86) 4387.14,4780 cw(c4387.14,4827.14) U9.3@4353.81,4793.81 ; R26.2@4467.58,4767.58 ccw(c4437.61,4737.61) 4437.61,4780 ccw(c4437.61,4822.39) R26.2@4467.58,4792.42
NetC18_2: C18.2 R25.2 RP4.2 | length 1173.8
  Bottom Layer w20: RP4.2@3132.27,4137.1 ccw(c3065.33,4204.04) 3160,4204.04 ccw(c3254.67,4204.04) RP4.2@3187.73,4137.1 ; RP4.2@3160,4070 3160,4240 3240,4320 C18.2@3600,4320 ; R25.2@3387.58,4567.58 cw(c3357.61,4537.61) 3400,4537.61 cw(c3442.39,4537.61) R25.2@3412.42,4567.58 ; 3400,4320 R25.2@3400,4580 ; C18.2@3589.67,4309.67 ccw(c3564.74,4284.74) 3564.74,4320 ccw(c3564.74,4355.26) C18.2@3589.67,4330.33
NetC19_2: C19.2 R34.1 R35.2 U10.2 | length 1610.2
  Top Layer w20: R34.1@4387.58,3872.42 ccw(c4357.61,3902.39) 4400,3902.39 ccw(c4442.39,3902.39) R34.1@4412.42,3872.42 ; R35.2@4387.58,3947.58 cw(c4357.61,3917.61) 4400,3917.61 cw(c4442.39,3917.61) R35.2@4412.42,3947.58 ; R34.1@4400,3860 R35.2@4400,3960
  Bottom Layer w20: C19.2@4085.15,4265.15 cw(c4049.3,4229.3) 4100,4229.3 cw(c4150.7,4229.3) C19.2@4114.85,4265.15 ; C19.2@4100,4280 4100,4100 4240,3960 R35.2@4400,3960 ; U10.2@4340,3420 4400,3480 4400,3550 4470,3620 4470,3840 4450,3860 R34.1@4400,3860 ; U10.2@4340,3439.53 ccw(c4340,3486.67) 4373.34,3453.34 ccw(c4406.67,3420) U10.2@4359.53,3420 ; R35.2@4387.58,3947.58 ccw(c4357.61,3917.61) 4357.61,3960 ccw(c4357.61,4002.39) R35.2@4387.58,3972.42 ; R34.1@4412.42,3847.58 cw(c4442.39,3817.61) 4442.39,3860 cw(c4442.39,3902.39) R34.1@4412.42,3872.42
NetC29_1: C29.1 D5.1 Q1.1 R37.2 | length 2241.5
  Top Layer w20: C29.1@5840,5360 5910,5360 5940,5330 D5.1@5940,5140 ; C29.1@5854.85,5345.15 cw(c5890.7,5309.3) 5890.7,5360 cw(c5890.7,5410.7) C29.1@5854.85,5374.85 ; D5.1@5927.58,5152.42 ccw(c5897.61,5182.39) 5940,5182.39 ccw(c5982.39,5182.39) D5.1@5952.42,5152.42 ; R37.2@5927.58,5227.58 cw(c5897.61,5197.61) 5940,5197.61 cw(c5982.39,5197.61) 5952.42,5227.58 cw(c5982.39,5197.61) 5982.39,5240 cw(c5982.39,5282.39) 5952.42,5252.42 cw(c5982.39,5282.39) 5940,5282.39 cw(c5897.61,5282.39) R37.2@5927.58,5252.42 ; R37.2@5940,5240 6210,5240 6260,5290 6670,5290 v1(6820,5140) ; v1@6805,5140 ccw(c6768.79,5140) 6794.39,5165.61 ccw(c6820,5191.21) v1@6820,5155
  Bottom Layer w20: v1(6820,5140) Q1.1@7240,5140 ; v1@6830.61,5129.39 cw(c6856.21,5103.79) 6856.21,5140 cw(c6856.21,5176.21) v1@6830.61,5150.61 ; Q1.1@7222.02,5122.02 ccw(c7178.6,5078.6) 7178.6,5140 ccw(c7178.6,5201.4) Q1.1@7222.02,5157.98
NetC29_2: C29.2 D5.2 R37.1 U12.7 | length 836.6
  Top Layer w20: D5.2@5527.58,5152.42 ccw(c5497.61,5182.39) 5540,5182.39 ccw(c5582.39,5182.39) D5.2@5552.42,5152.42 ; R37.1@5527.58,5227.58 cw(c5497.61,5197.61) 5540,5197.61 cw(c5582.39,5197.61) R37.1@5552.42,5227.58 ; R37.1@5527.58,5252.42 ccw(c5497.61,5282.39) 5540,5282.39 ccw(c5582.39,5282.39) R37.1@5552.42,5252.42 ; D5.2@5540,5140 5540,5320 5580,5360 C29.2@5640,5360 ; C29.2@5625.15,5345.15 ccw(c5589.3,5309.3) 5589.3,5360 ccw(c5589.3,5410.7) C29.2@5625.15,5374.85
  Bottom Layer w20: U12.7@5420,5140 D5.2@5540,5140 ; U12.7@5433.81,5126.19 cw(c5467.14,5092.86) 5467.14,5140 cw(c5467.14,5187.14) U12.7@5433.81,5153.81 ; D5.2@5527.58,5127.58 ccw(c5497.61,5097.61) 5497.61,5140 ccw(c5497.61,5182.39) D5.2@5527.58,5152.42
NetC30_1: C30.1 D6.2 U12.6 | length 603.4
  Bottom Layer w20: U12.6@5420,5040 5600,5040 5640,5000 C30.1@5640,4920 ; U12.6@5433.81,5026.19 cw(c5467.14,4992.86) 5467.14,5040 cw(c5467.14,5087.14) U12.6@5433.81,5053.81 ; D6.2@5527.58,5027.58 ccw(c5497.61,4997.61) 5497.61,5040 ccw(c5497.61,5082.39) D6.2@5527.58,5052.42 ; D6.2@5552.42,5027.58 cw(c5582.39,4997.61) 5582.39,5040 cw(c5582.39,5082.39) D6.2@5552.42,5052.42 ; C30.1@5625.15,4934.85 ccw(c5589.3,4970.7) 5640,4970.7 ccw(c5690.7,4970.7) C30.1@5654.85,4934.85
NetC31_1: C31.1 D7.1 Q2.1 R38.2 | length 2184.5
  Top Layer w20: C31.1@5840,4780 5920,4780 5940,4760 R38.2@5940,4540 ; C31.1@5854.85,4765.15 cw(c5890.7,4729.3) 5890.7,4780 cw(c5890.7,4830.7) C31.1@5854.85,4794.85 ; R38.2@5927.58,4552.42 ccw(c5897.61,4582.39) 5940,4582.39 ccw(c5982.39,4582.39) R38.2@5952.42,4552.42 ; D7.1@5927.58,4627.58 cw(c5897.61,4597.61) 5940,4597.61 cw(c5982.39,4597.61) 5952.42,4627.58 cw(c5982.39,4597.61) 5982.39,4640 cw(c5982.39,4682.39) 5952.42,4652.42 cw(c5982.39,4682.39) 5940,4682.39 cw(c5897.61,4682.39) D7.1@5927.58,4652.42 ; D7.1@5940,4640 v1(6830,4640) ; v1@6819.39,4629.39 ccw(c6793.79,4603.79) 6793.79,4640 ccw(c6793.79,4676.21) v1@6819.39,4650.61
  Bottom Layer w20: v1(6830,4640) Q2.1@7240,4640 ; v1@6840.61,4629.39 cw(c6866.21,4603.79) 6866.21,4640 cw(c6866.21,4676.21) v1@6840.61,4650.61 ; Q2.1@7222.02,4622.02 ccw(c7178.6,4578.6) 7178.6,4640 ccw(c7178.6,4701.4) Q2.1@7222.02,4657.98
NetC31_2: C31.2 D7.2 R38.1 U12.1 | length 856.6
  Bottom Layer w20: U12.1@5420,4540 R38.1@5540,4540 5540,4740 5580,4780 C31.2@5640,4780 ; U12.1@5433.81,4526.19 cw(c5467.14,4492.86) 5467.14,4540 cw(c5467.14,4587.14) U12.1@5433.81,4553.81 ; R38.1@5527.58,4527.58 ccw(c5497.61,4497.61) 5497.61,4540 ccw(c5497.61,4582.39) 5527.58,4552.42 ccw(c5497.61,4582.39) 5540,4582.39 ccw(c5582.39,4582.39) R38.1@5552.42,4552.42 ; D7.2@5527.58,4627.58 cw(c5497.61,4597.61) 5540,4597.61 cw(c5582.39,4597.61) D7.2@5552.42,4627.58 ; D7.2@5527.58,4652.42 ccw(c5497.61,4682.39) 5540,4682.39 ccw(c5582.39,4682.39) D7.2@5552.42,4652.42 ; C31.2@5625.15,4765.15 ccw(c5589.3,4729.3) 5589.3,4780 ccw(c5589.3,4830.7) C31.2@5625.15,4794.85